# Altium PCB LimeSDR-QPCIe_1v2.PcbDoc (part 1 of 21)
Units mm, origin at the board's own origin, x right, y up, seen from the top; angles counter-clockwise.
Board outline 190 x 111.15 mm, 14 copper layers (Top, L2, L3, L4, L5, L6, L7, L8, L9, L10, L11, L12, L13, Bottom), stack 1.907 mm thick; 2014 components, 1408 nets, 9111 pads, 4171 vias.
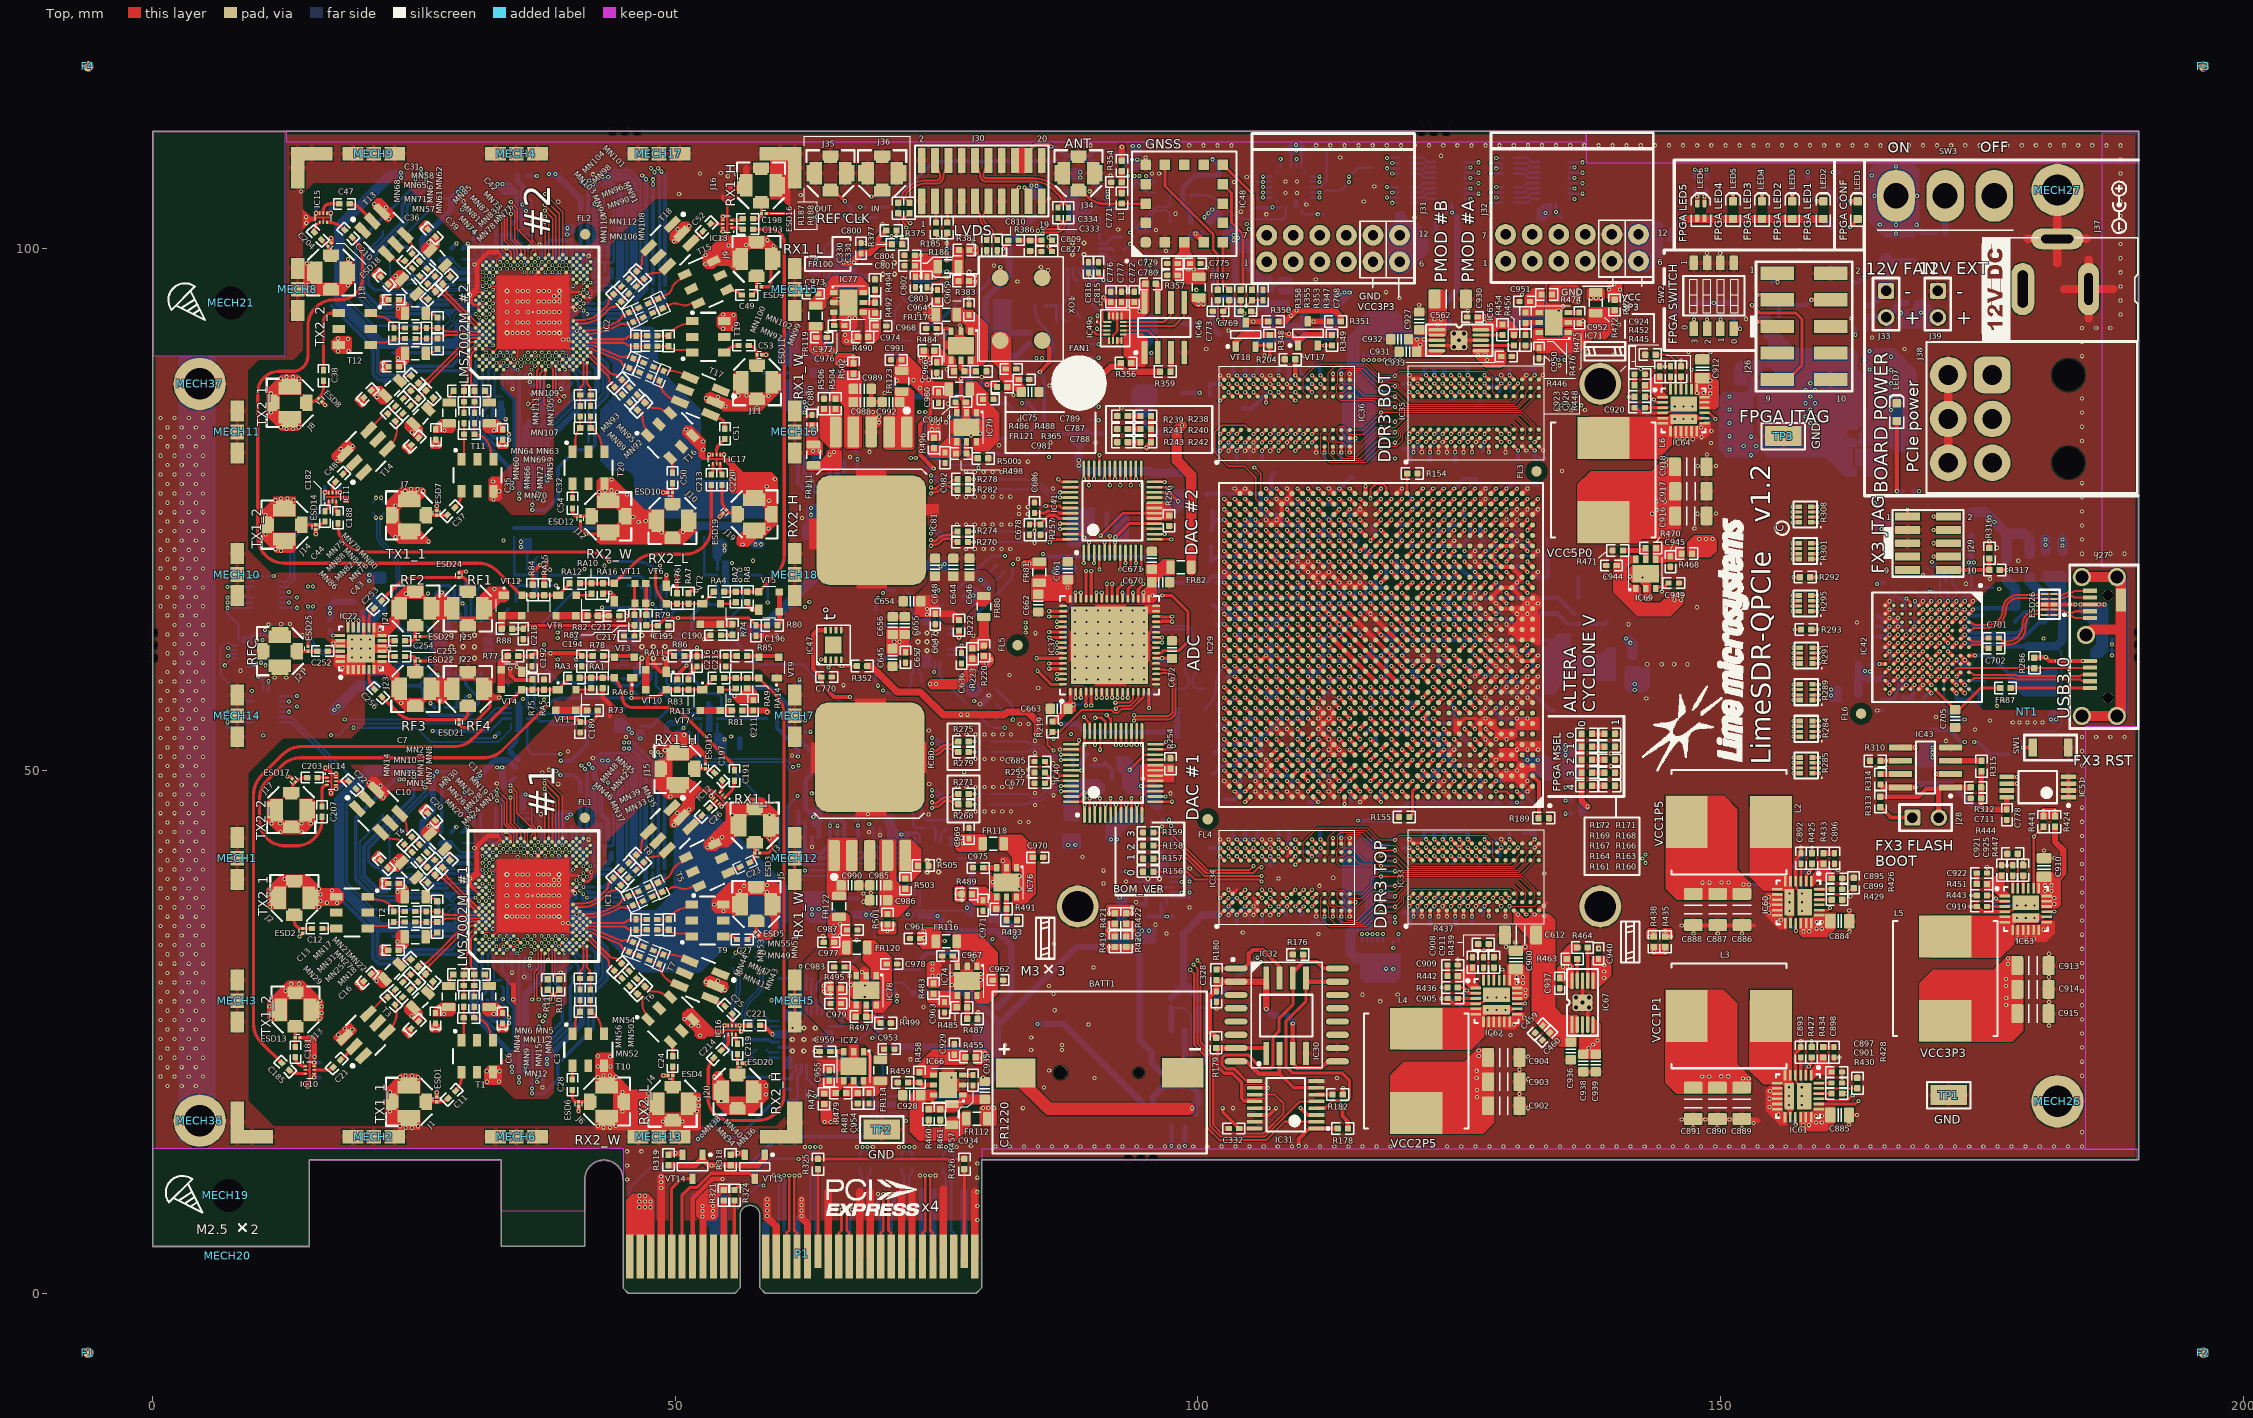
[diagram p0: Top view]
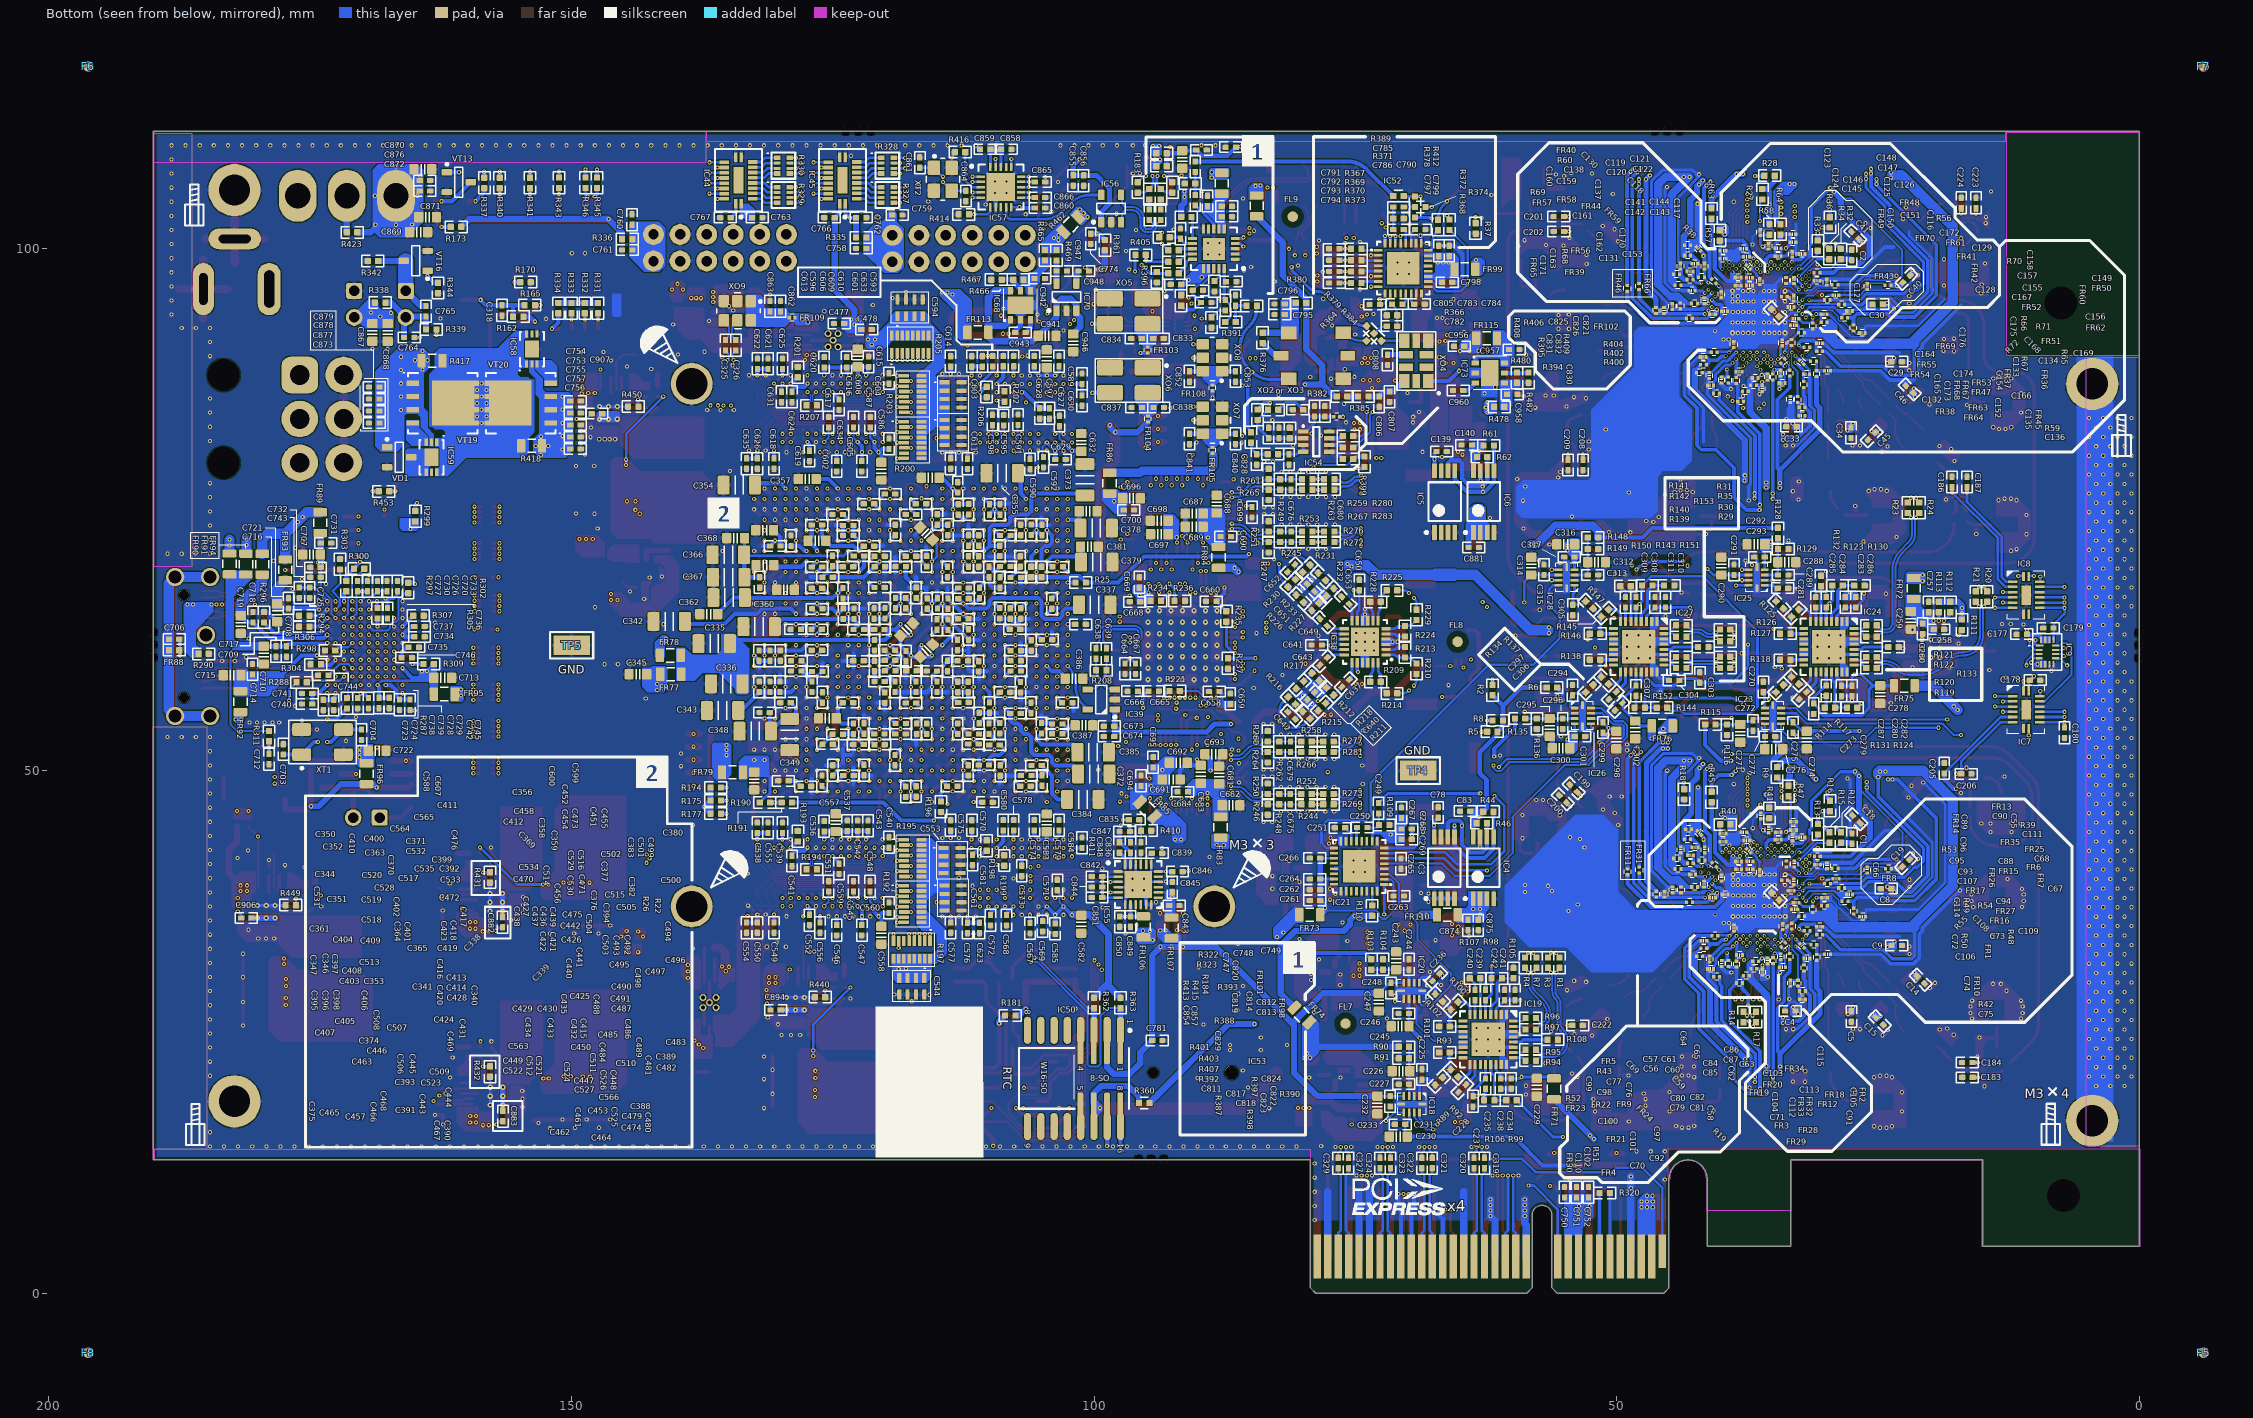
[diagram p1: Bottom view, seen from below]
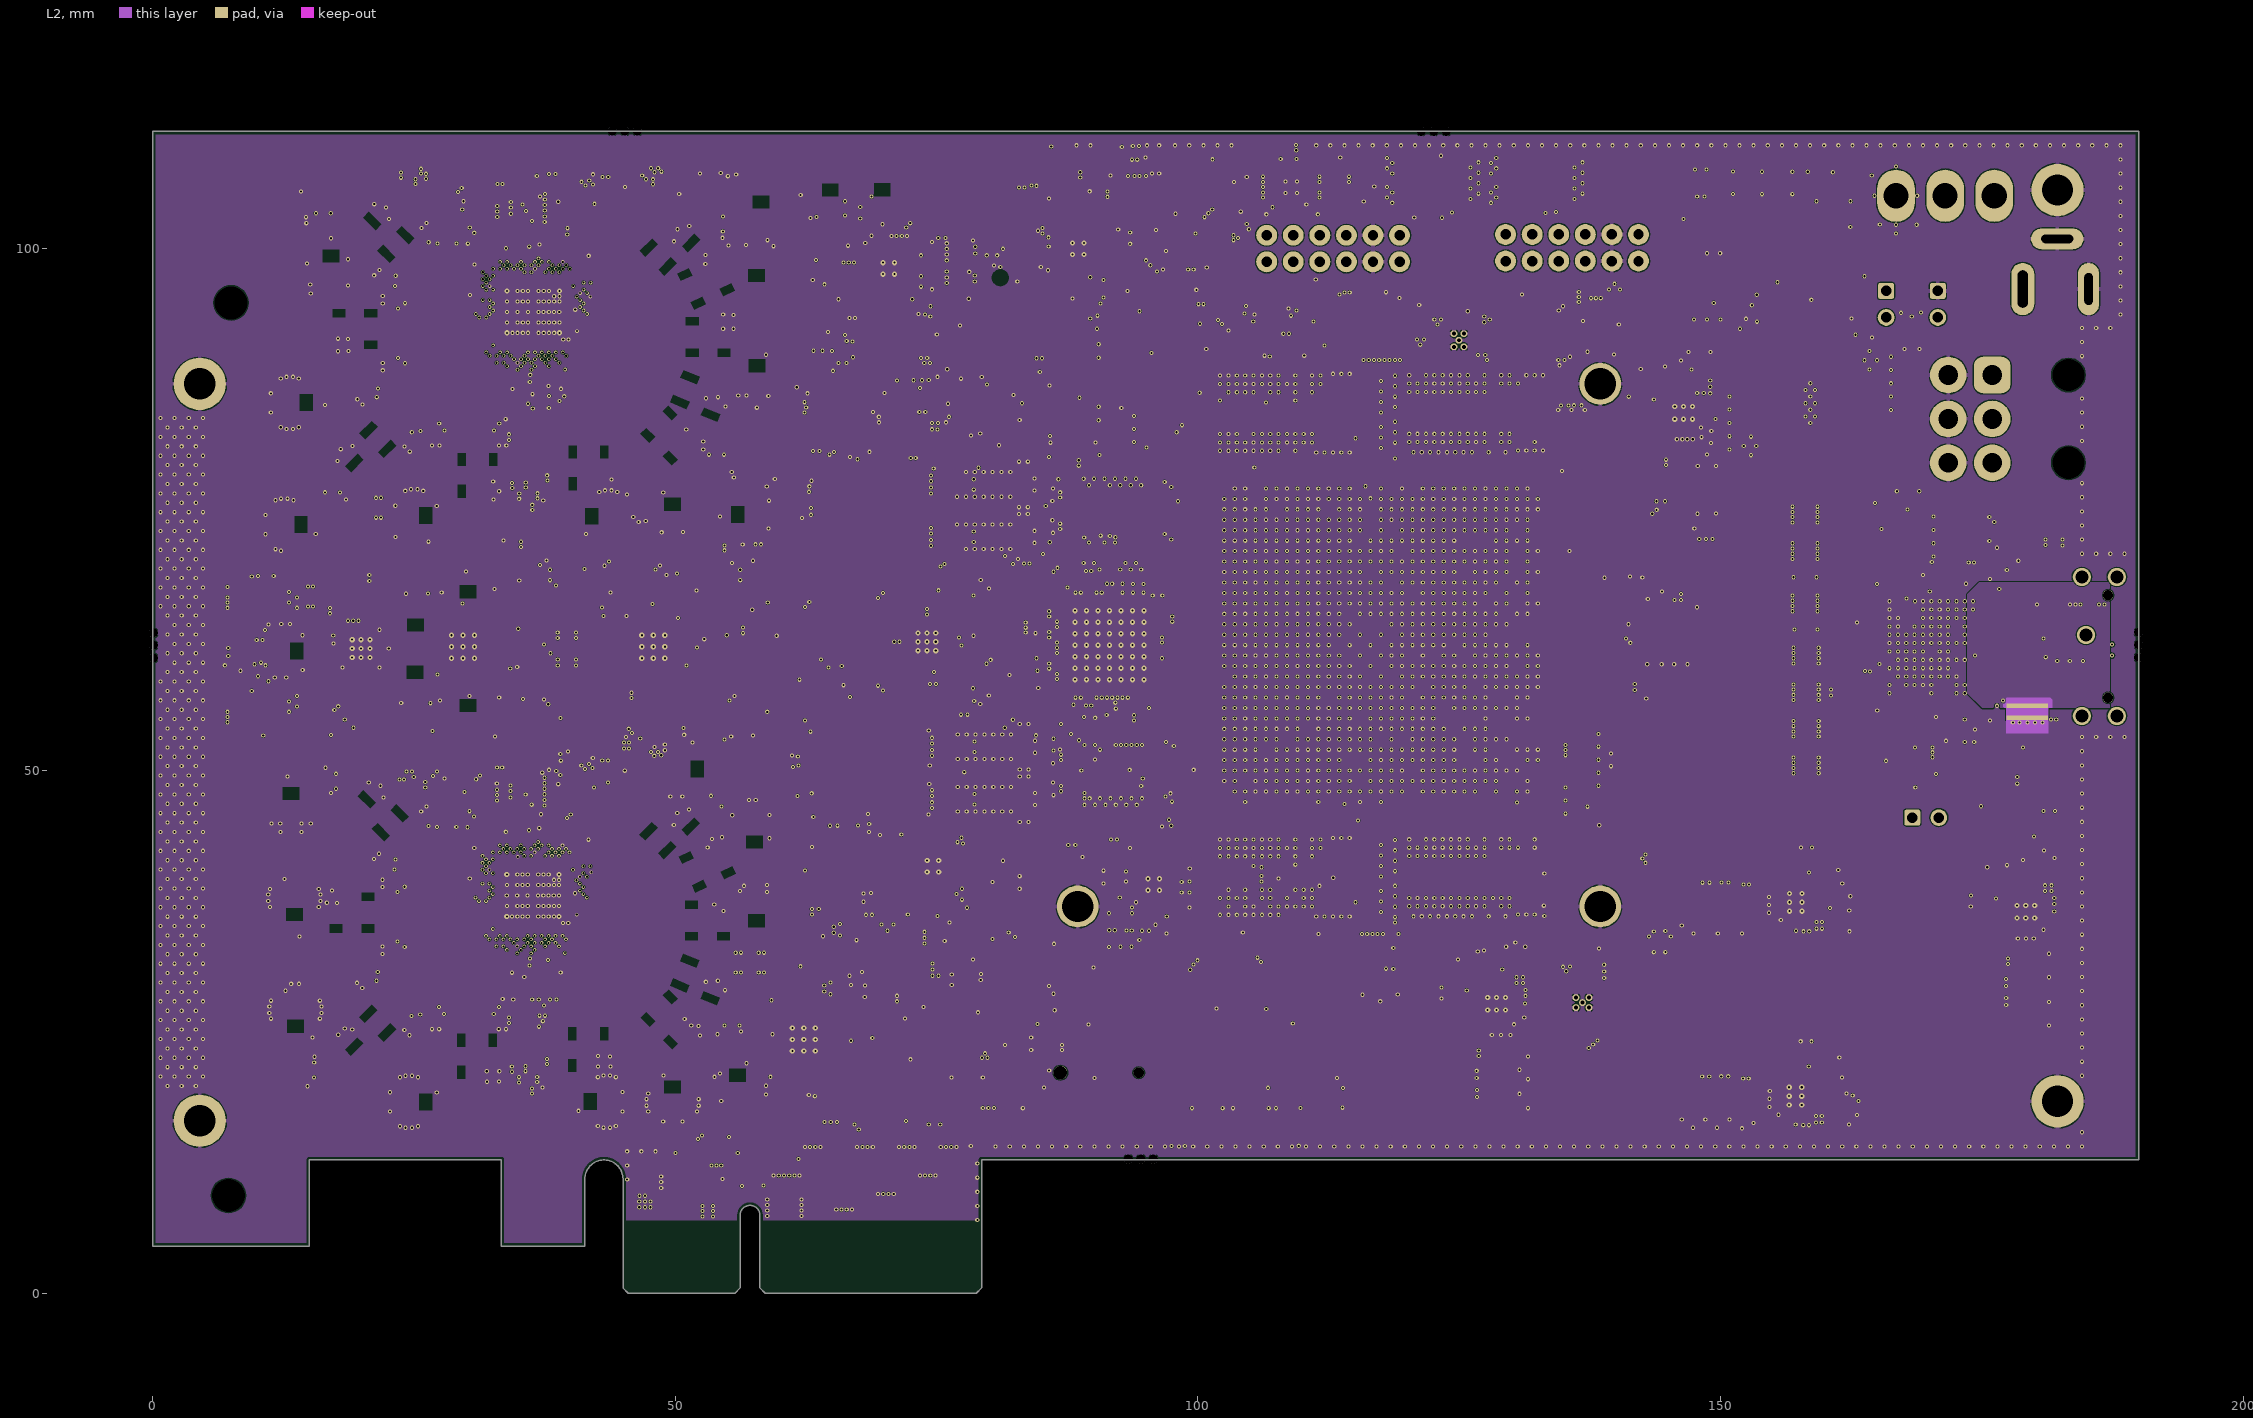
[diagram p2: L2]
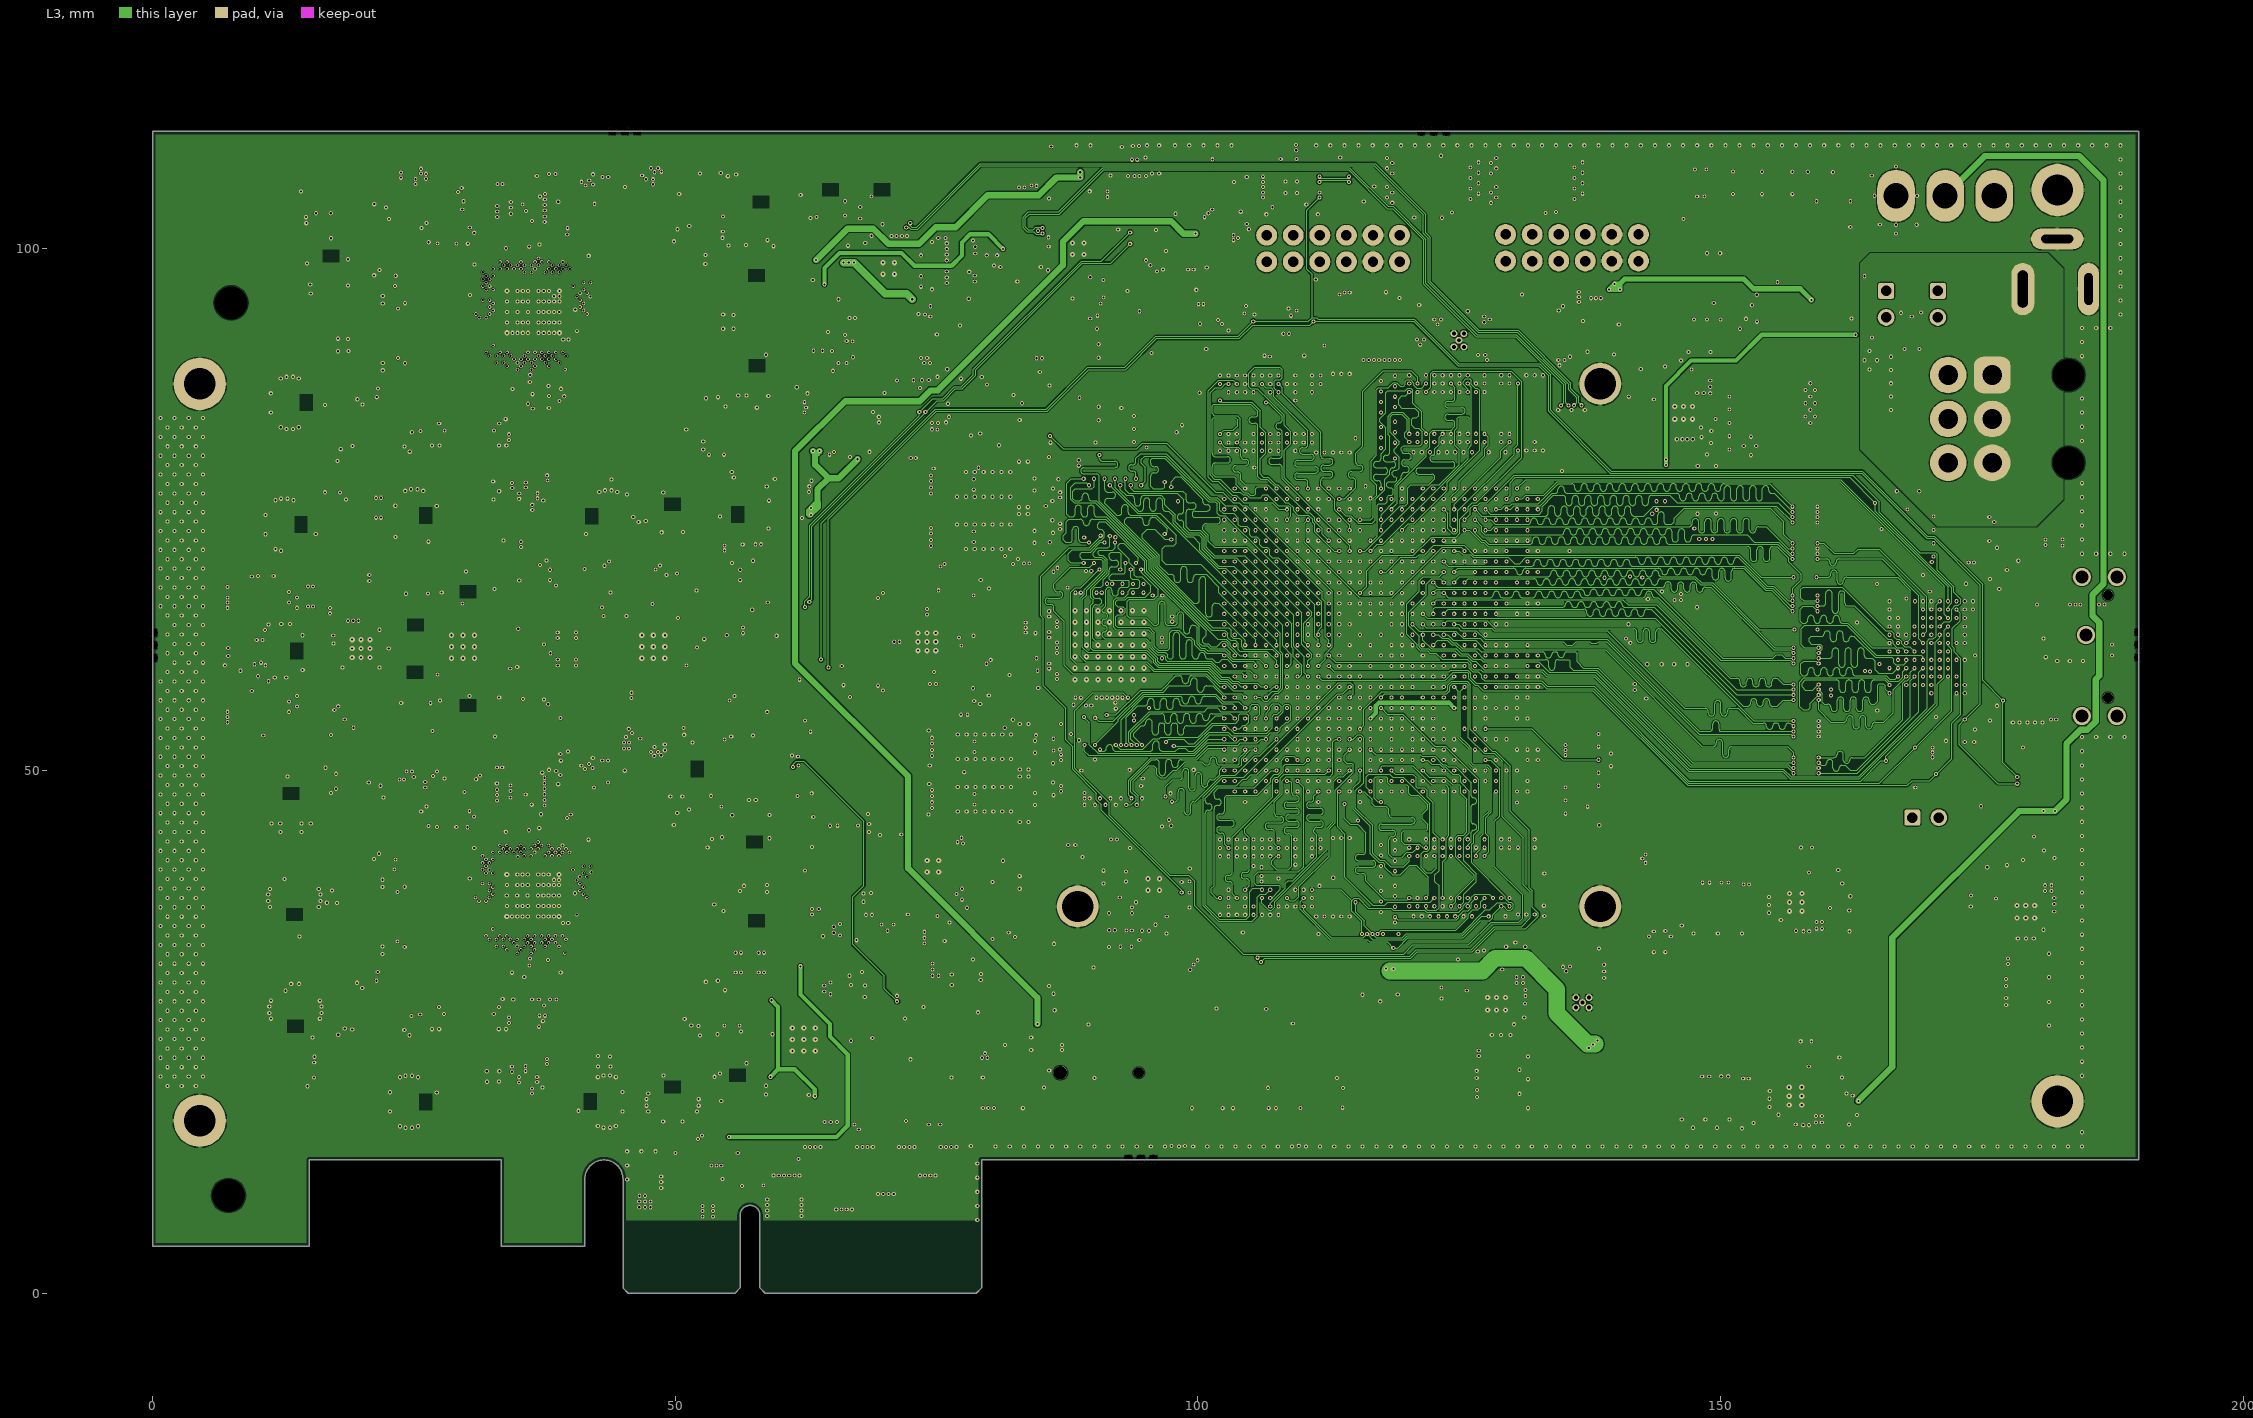
[diagram p3: L3]
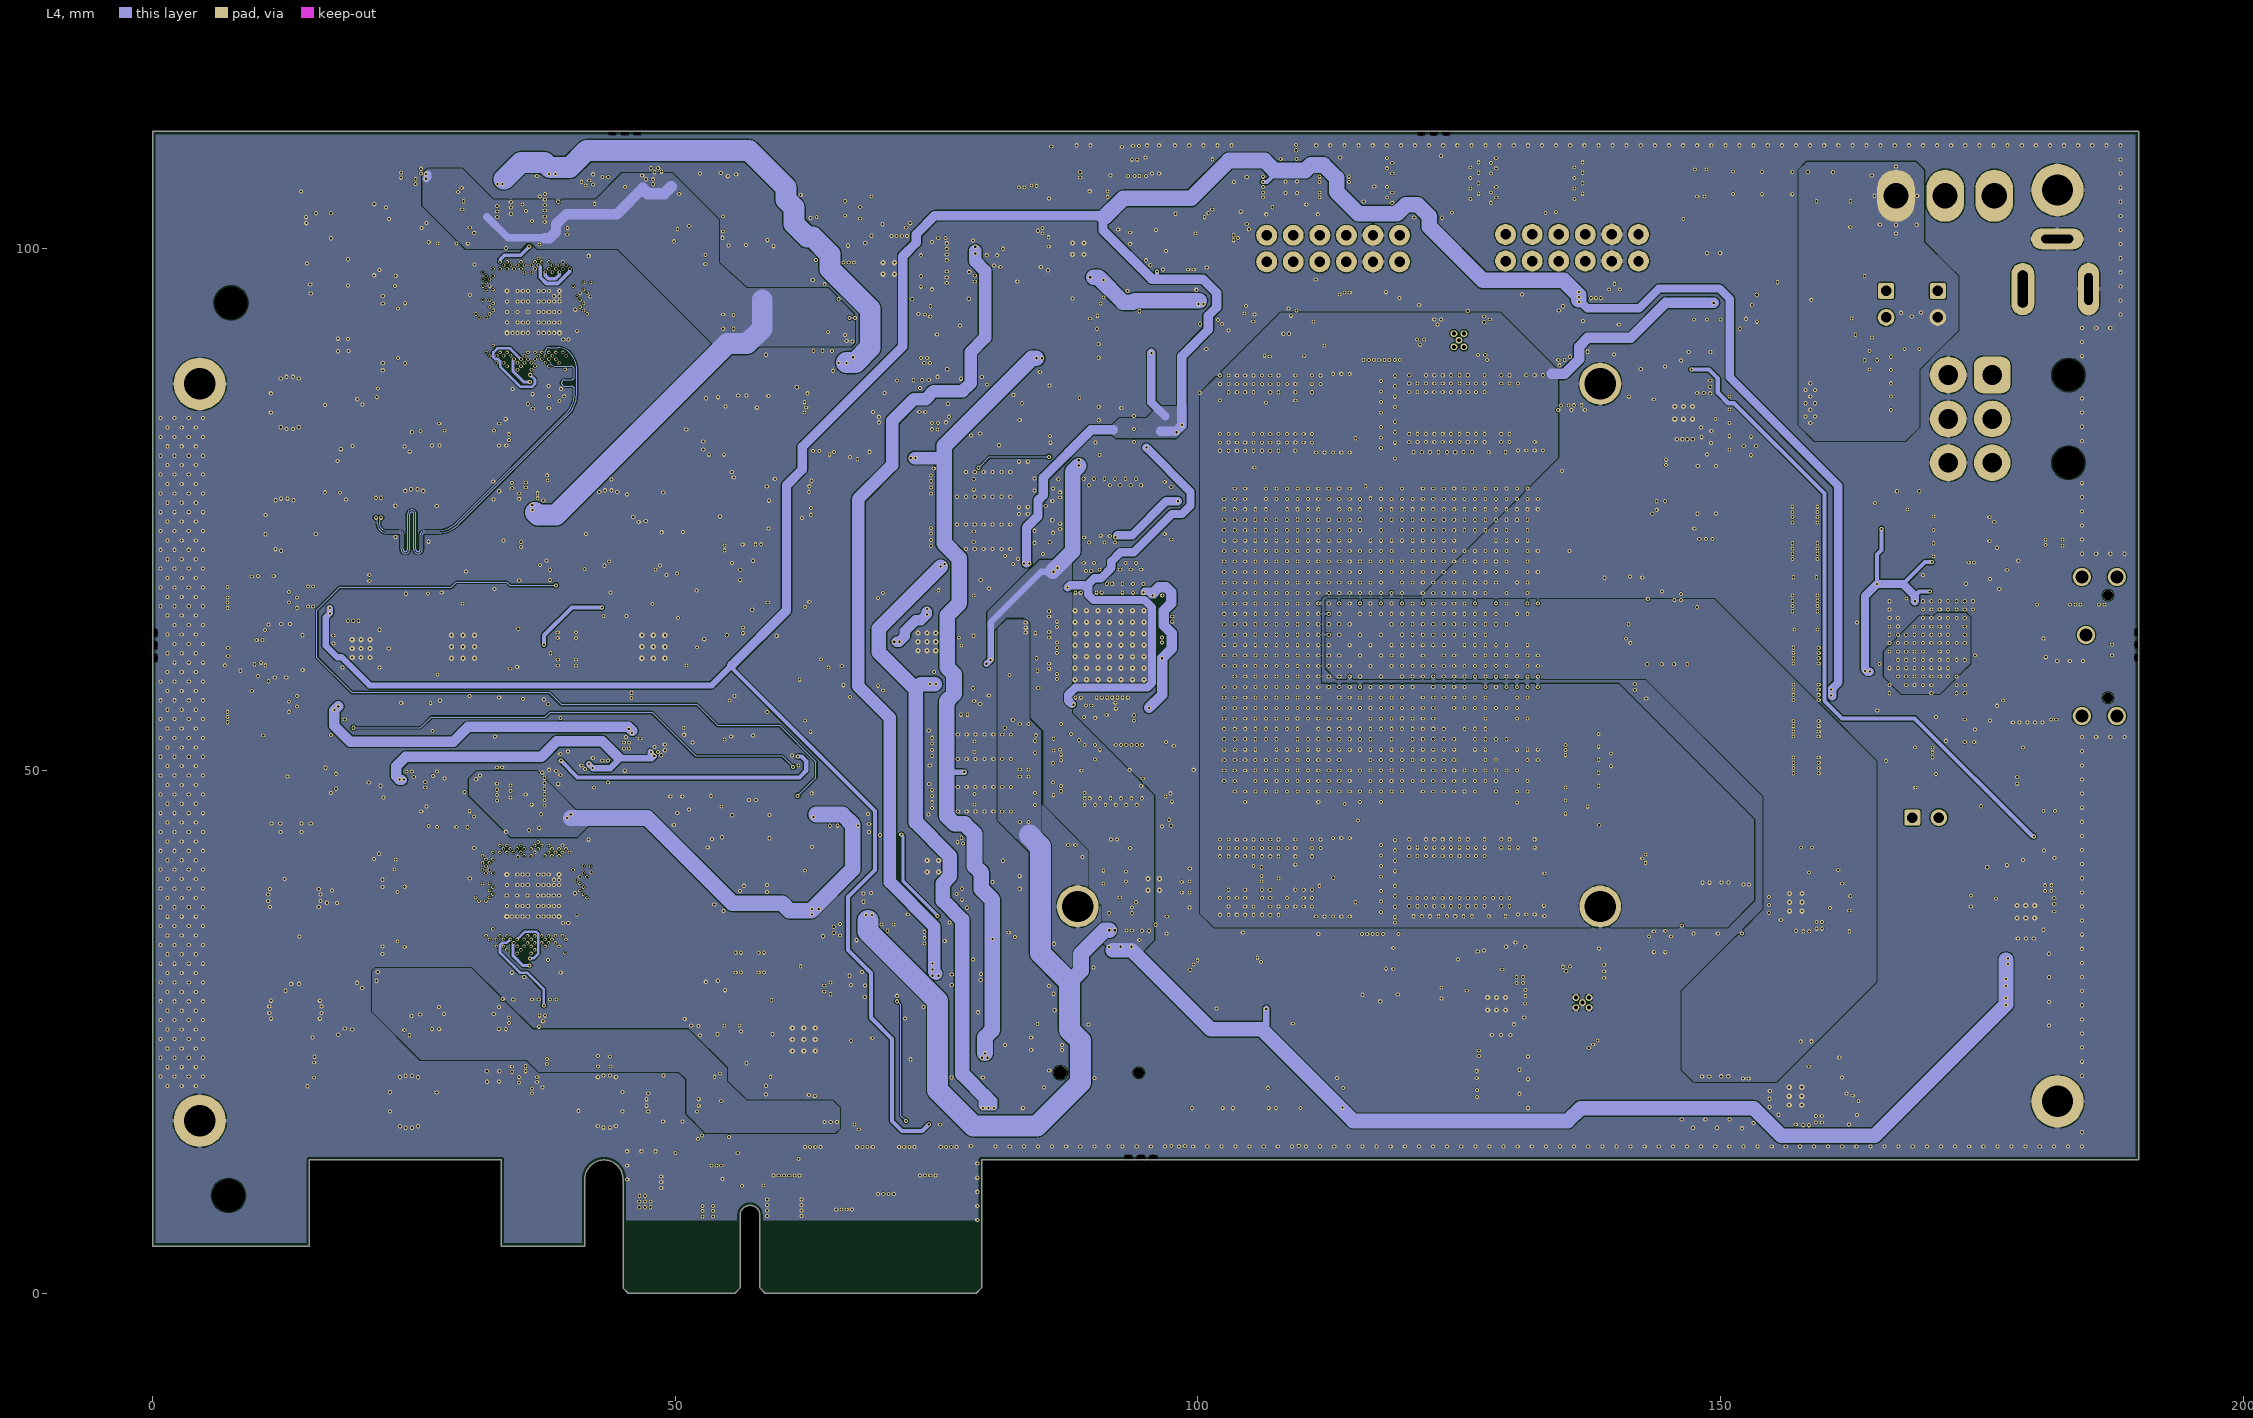
[diagram p4: L4]